# KiCad board RobotLegoController.kicad_pcb (continued)
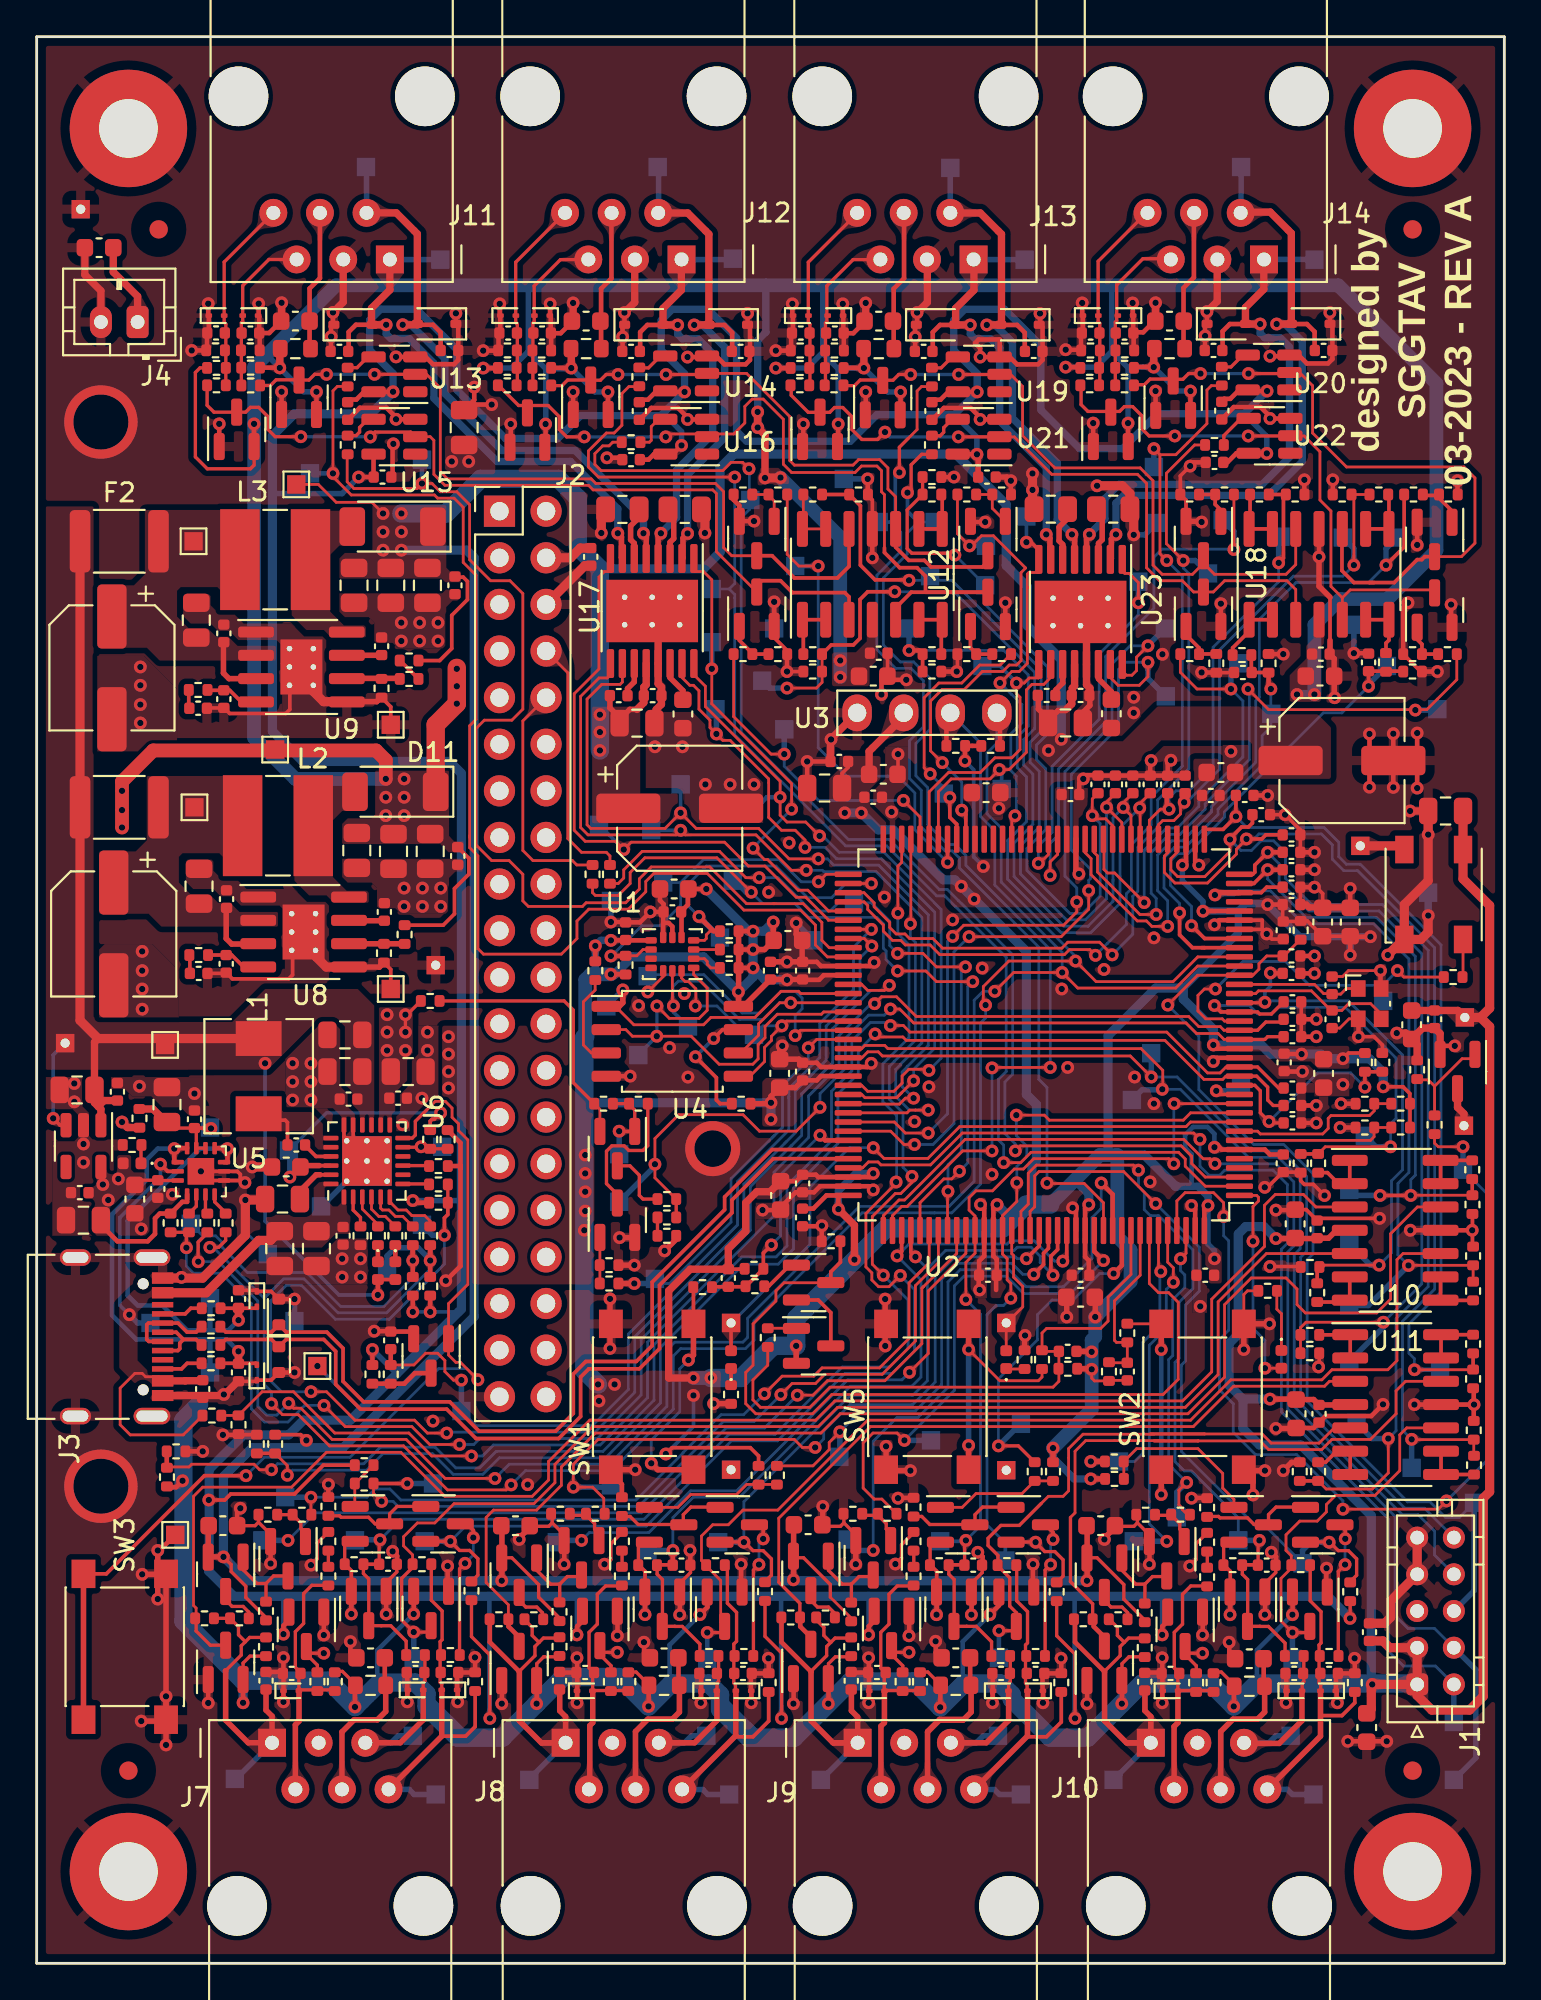
[diagram p0: board, top side]
## Routing (per net, layer and track width the routed paths; a pad name or vN(x,y) marks a point on that pad's centre or on a via; arc(x,y) is an arc through that point) (continued)
VBAT_ADC_ON: length 22.5
  L1 w0.15: v1(42.06,49.9) 42.51,50.35 U2.91
  L1 w0.3: v1(32.58,37.05) 31.72,37.05
  L4 w0.15: 40.2,45.1 40.65,45.56 40.65,47.85 40.68,47.85 42.06,49.23 v1(42.06,49.9) ; 40.2,45.1 37.85,42.76 37.85,40.4 34.5,37.05 v1(32.58,37.05) ; 40.2,45.1 40.05,44.96
  L4 w0.3: v1(32.58,37.05) 33.7,37.05
VBAT_SENSE: length 47.7
  L1 w0.15: v1(46.54,52.01) 47.04,52.01 47.8,51.25 62.65,51.25 63.22,50.67 64.4,50.67 64.72,50.35 U2.18 ; v1(42.7,46.65) 41.4,45.35 39.4,45.35 38.5,46.25 35,46.25 33.7,44.95 33.7,42.81 R43.1
  L1 w0.18: U2.18 66.95,50.35 67.1,50.5 C58.1 ; R51.2 R43.1
  L4 w0.15: v1(46.54,52.01) 46.2,51.68 45.35,51.68 44.08,50.41 44.08,48.78 42.7,47.4 v1(42.7,46.65)
  L4 w0.3: TP34.1 33.7,43.45 v1(33.7,43.55)
VBUS: length 31.7
  L1 w0.15: R66.2 7.99,28.8 5.1,28.8 4.55,29.35 4.55,31.35 5.35,32.15 5.75,32.15 5.93,31.97 6.64,31.97 J3.A9
  L1 w0.2: U5.2 7.14,43.16 v1(6.74,43.56)
  L1 w0.4: J3.A9 8.09,31.74 8.1,31.75 9.03,31.75 9.05,31.73
  L1 w0.5: J3.A4 9.24,36.54 12.1,39.4 12.75,39.4 C49.1
  L4 w0.2: v1(5.05,35.35) 4.53,35.87 4.53,40.64 6.74,42.85 v1(6.74,43.56)
  L4 w0.3: v1(5.05,35.35) 5.5,34.9 TP82.1
VBUS_SENSE: length 77
  L1 w0.15: v1(45.68,52.3) 46.05,52.67 46.87,52.67 47.94,51.6 62.79,51.6 63.35,51.05 64.52,51.05 64.72,50.85 U2.19 ; R66.1 10.07,29.86 R70.2 12.29,31.15 14,31.15 16.25,28.9 20.28,28.9 21.54,27.65 v1(23.7,27.65)
  L1 w0.18: U2.19 66.55,50.85 67,51.3 67.82,51.3 C86.1
  L4 w0.15: 31.24,28.76 33.3,30.83 33.3,33.86 40.19,40.75 40.19,43.12 42.07,45 42.07,47.27 43.73,48.93 43.73,50.56 45.48,52.3 v1(45.68,52.3) ; 31.24,28.76 31.31,28.84 30.72,28.25 24.9,28.25 24.3,27.65 v1(23.7,27.65) ; 31.24,28.76 31.17,28.7
+BATT: length 6.6
  L1 w0.18: v1(20.1,50.75) 20.1,51.61 R206.1
  L1 w0.4: C53.1 4.18,92.17 5.5,90.85 J4.1
  vias: v1(19.1,51.7) v1(19.1,50.75) v1(19.1,49.75) v1(20.1,51.7) v1(20.1,49.75)
/01-Microcontroller and Extras/BOARD_ID0: length 8.9
  L1 w0.15: U2.7 72.7,44.85 72.9,45.05 72.9,45.54 R26.2 R21.1
/01-Microcontroller and Extras/BOARD_ID1: length 9.6
  L1 w0.15: U2.8 66.55,45.35 66.7,45.2 70.1,45.2 70.4,45.5 70.4,46.05 70.55,46.2 72.65,46.2 72.91,46.46 R27.2 R22.1
/01-Microcontroller and Extras/BUTTON1: length 33.6
  L1 w0.15: R13.2 39.85,32.6 39.04,31.79 39.04,30.71 39.45,30.3 42.14,30.3 43.24,31.4 55.4,31.4 55.72,31.72 C6.2 54.86,33.35 R10.2 ; R10.2 54.8,33.37 ; R10.2 54.8,34.35 55.05,34.6 58,34.6 58.4,35 58.4,36.3 59.65,37.55 U2.136 ; 55.78,32.39 55.76,32.41
/01-Microcontroller and Extras/BUTTON2: length 13.5
  L1 w0.2: v1(40.05,39.15) 39.61,38.71 R7.1 38.66,36.9 R15.2 38.61,36.87 C7.2 36.83,36.87 R11.2
  L1 w0.25: v1(42.7,45.13) 42.98,44.85 U2.102
  L4 w0.15: 41.86,44.29 40.55,42.98 40.55,39.65 v1(40.05,39.15) ; 41.86,44.29 41.8,44.23 ; 41.86,44.29 v1(42.7,45.13)
/01-Microcontroller and Extras/BUTTON3: length 9.4
  L1 w0.15: U2.137 60.15,37.5 58.75,36.1 58.75,33.95 58.86,33.84 R12.2 C8.2 58.48,32.73 R8.1
/01-Microcontroller and Extras/DEBUG_uRX_dTX: length 53.1
  L1 w0.15: U2.93 44.98,49.35 45.3,49.67 45.88,49.67 46.1,49.45 59.61,49.45 v1(60.76,48.3)
  L4 w0.15: v1(60.76,48.3) 62.17,48.3 66.2,44.27 67.83,44.27 69.23,42.88 69.22,38.81 68.9,38.48 68.9,30.48 74.58,24.8 75.65,24.8 J1.10
  L4 w0.3: TP11.1 60.76,49.59 v1(60.76,48.3)
/01-Microcontroller and Extras/DEBUG_uTX_dRX: length 56
  L1 w0.15: U2.92 44.97,49.85 45.14,50.03 46.22,50.03 46.4,49.85 60.2,49.85 61.38,48.67 61.38,47.66 v1(61.36,47.63)
  L4 w0.15: J1.8 76.2,22.25 76.2,23.55 75.3,24.45 74.44,24.45 68.55,30.34 68.55,38.63 68.88,38.95 68.88,42.74 67.69,43.92 66.05,43.92 62.34,47.63 v1(61.36,47.63)
  L4 w0.3: TP8.1 60.25,47.6 61.33,47.6 v1(61.36,47.63)
/01-Microcontroller and Extras/LED1: length 7.2
  L1 w0.15: U2.123 53.15,38.67 53.25,38.58 53.25,37.39 53.75,36.89 53.75,35.78 52.85,34.88 D1.2
/01-Microcontroller and Extras/LED2: length 11.8
  L1 w0.15: 66.85,32.45 66.87,32.43 D2.2 ; U2.1 66.5,41.85 66.6,41.75 66.6,41.54 66.3,41.25 v1(66.3,39.35)
  L4 w0.15: v1(66.3,39.35) 66.3,34.6 66.95,33.95 v1(66.95,32.43)
/01-Microcontroller and Extras/LED3: length 36.3
  L1 w0.15: v1(45.6,44.45) 46.19,43.86 48.58,43.86 50.32,45.6 53.7,45.6 ; U2.9 62.9,45.85 62.65,45.6 53.7,45.6 ; 53.7,45.6 53.5,45.6
  L1 w0.2: D3.2 37.85,34.88
  L4 w0.15: v1(45.6,44.45) 44.3,44.45 42.15,42.3 42.15,39.17 37.85,34.88
/01-Microcontroller and Extras/MC_BOOT0: length 46.1
  L1 w0.15: Q2.3 43.28,37.09 40.74,37.09 40.29,36.64 40.29,36.09 39.05,34.85 39.05,32.6 38.65,32.2 38.65,30.5 39.2,29.95 42.29,29.95 43.34,31 61.4,31 62.22,31.83 62.22,36.03 61.7,36.55 61.15,36.55 60.65,37.05 U2.138
  L1 w0.2: Q2.3 43.29,37.69 43.81,38.21 R16.1
/01-Microcontroller and Extras/MC_RESET_N: length 59.8
  L1 w0.15: v1(61.66,52.22) 63.28,53.85 U2.25 66.29,53.85 66.62,54.18 66.62,54.47 67.05,54.9 C30.1 67.98,54.9 68.87,55.79 R14.1
  L4 w0.15: J1.6 78.4,20.35 78.4,25.15 77.55,24.3 76.8,24.3 75.95,25.15 74.73,25.15 69.25,30.63 69.25,38.34 69.57,38.66 69.58,43.03 67.98,44.62 66.34,44.62 63.35,47.62 63.35,50.53 v1(61.66,52.22)
  L4 w0.3: TP6.1 78.35,20.3 J1.6
/01-Microcontroller and Extras/MC_SWCLK: length 64.2
  L1 w0.15: v1(64.23,43.57) 63.96,43.85 63.58,43.85 62.53,44.9 50.61,44.9 47.31,41.6 47.01,41.6 46.15,40.74 U2.109
  L4 w0.15: J1.4 76.2,18.25 74.75,18.25 74.05,18.95 74.05,24.34 68.2,30.19 68.2,38.77 68.53,39.1 68.53,42.59 67.54,43.57 v1(64.23,43.57)
  L4 w0.3: TP4.1 78.45,11.2 78.45,16 J1.4
/01-Microcontroller and Extras/MC_SWDIO: length 61.5
  L1 w0.15: v1(63.41,44.91) 63.07,45.25 50.46,45.25 48.72,43.51 46.02,43.51 45.86,43.67 45.34,43.67 45.02,43.35 U2.105
  L4 w0.15: v1(63.41,44.91) 63.41,43.44 63.9,42.95 64.49,42.95 64.76,43.22 67.4,43.22 68.18,42.45 68.18,39.24 67.85,38.92 67.85,30.05 73.7,24.2 73.7,17 74.5,16.2 76.25,16.2 J1.2
  L4 w0.3: TP1.1 J1.2
/01-Microcontroller and Extras/PC_uRX_rpiTX: length 38.9
  L1 w0.15: U2.116 49.65,42.05 v1(49.68,42.08) ; R5.1 31.26,58.85 31.7,58.85 32,59.15 32,59.59 33.01,60.6 37.22,60.6 38.66,59.17 v1(39.38,59.17) ; v1(50.62,54.31) 49.04,54.31 48.31,55.04 v1(46.93,55.04)
  L4 w0.15: v1(49.68,42.08) 49.68,43.53 50.4,44.25 50.4,54.08 v1(50.62,54.31) ; v1(39.38,59.17) 40.41,59.17 42.23,57.35 43.25,57.35 43.7,57.8 TP12.1 45.49,57.8 46.5,56.79 46.5,55.47 v1(46.93,55.04)
/01-Microcontroller and Extras/PC_uTX_rpiRX: length 42.6
  L1 w0.15: v1(50.3,43.17) 49.88,42.75 49.45,42.75 48.15,41.45 U2.113 ; v1(46.93,54.08) 48.47,54.08 49.05,53.5 v1(51.02,53.5) ; R9.1 30.3,58.35 30.45,58.2 31.7,58.2 32.35,58.85 32.35,59.45 33.15,60.25 37.08,60.25 v1(38.95,58.38)
  L4 w0.15: v1(50.3,43.17) 50.75,43.62 50.75,53.23 v1(51.02,53.5) ; v1(38.95,58.38) 39.58,57.75 41.33,57.75 42.08,57 45.8,57 46.15,56.65 46.15,55.32 46.3,55.17 46.3,54.71 v1(46.93,54.08)
  L4 w0.3: v1(38.95,58.38) 38.67,58.38 37.95,59.1
/01-Microcontroller and Extras/SYS_FLASH_CS_N: length 17.4
  L1 w0.15: U4.1 31.54,52.16 32.55,51.15 36.35,51.15 36.75,51.55 39.15,51.55 40.57,52.97 41.53,52.97 41.65,52.85 U2.86
  L1 w0.3: U4.1 31.75,52.16 31.95,52.35 v1(31.95,53.05)
  L4 w0.3: v1(31.95,53.05) TP18.1
/01-Microcontroller and Extras/SYS_IMU_CS: length 17.6
  L1 w0.15: U1.12 34.15,53.78 v1(33.31,52.94) ; U2.90 41.64,50.85 v1(41.34,50.56)
  L4 w0.15: TP9.1 33.38,53.88 36.37,53.88 38.46,51.79 39.39,51.79 40.57,52.97 41.36,52.97 41.72,52.61 41.72,52.03 41.34,51.64 v1(41.34,50.56)
  L4 w0.2: v1(33.31,52.94) 33.31,53.81
/01-Microcontroller and Extras/SYS_IMU_IRQ1: length 19.6
  L1 w0.15: R3.1 36.7,56.25 36.5,56.05 36.5,55.85 36.4,55.75 U1.4 ; U2.74 v1(45.5,58.85)
  L1 w0.25: 37.25,56.25 36.9,56.25 v1(36.1,57.05)
  L4 w0.15: v1(45.5,58.85) 44.1,58.85 43.33,58.08 42.02,58.08 40.3,59.8 36.5,59.8 35.45,58.75 35.45,57.7 v1(36.1,57.05)
  L4 w0.3: v1(36.1,57.05) TP2.1
/01-Microcontroller and Extras/SYS_IMU_IRQ2: length 19.8
  L1 w0.15: U1.9 33.05,55.25 32.71,54.91 R4.1 ; U2.73 43.02,59.35 v1(42.61,58.94)
  L1 w0.25: 32.1,54.9 v1(31.3,54.9)
  L4 w0.15: 35.1,58.9 36.35,60.15 40.47,60.15 41.68,58.94 v1(42.61,58.94) ; 35.1,58.9 TP5.1 ; 35.1,58.9 35.1,57.65 34,56.55 32.98,56.55 31.33,54.9 v1(31.3,54.9)
/01-Microcontroller and Extras/SYS_SPI_CLK: length 19.7
  L1 w0.15: v1(34.71,52.18) 34.65,52.24 U1.13 ; U4.6 38.38,49.61 39.35,50.58 39.35,51.2 40.5,52.35 U2.87
  L4 w0.15: v1(34.71,52.18) 34.68,52.21 34.68,53.23 34.98,53.53 36.22,53.53 38.31,51.44 39.59,51.44 40.5,52.35 v1(41.1,52.35)
  L4 w0.2: v1(34.71,52.18) 34.71,51.84 TP10.1
/01-Microcontroller and Extras/SYS_SPI_MISO: length 24.9
  L1 w0.15: U2.88 42.9,51.85 42.78,51.72 40.37,51.72 39.7,51.06 39.7,50.44 39.32,50.06 39.32,49.29 39.04,49 37.2,49 35.67,50.53 32.47,50.53 32.12,50.89 U4.2 ; v1(33.81,52.17) 34.48,51.5 36.11,51.5 36.55,51.94 36.55,53.15 35.81,53.89 U1.1
  L4 w0.18: v1(33.81,52.17) 33.81,50.53 v1(33.8,50.53)
  L4 w0.2: v1(33.8,50.53) 32.77,49.5
/01-Microcontroller and Extras/SYS_SPI_MOSI: length 15.8
  L1 w0.15: v1(35.9,52.17) 35.93,52.21 35.93,53.11 35.54,53.5 35.35,53.5 35.15,53.7 U1.14 ; U4.5 38.88,48.34 39.68,49.14 39.68,49.92 40.05,50.29 40.05,50.52 v1(40.62,51.09) 40.88,51.35 U2.89
  L4 w0.15: v1(40.62,51.09) 39.59,51.09 TP7.1 38.61,51.09 38.16,51.09 37.08,52.17 v1(35.9,52.17)
/01-Microcontroller and Extras/XTAL_IN: length 8.9
  L1 w0.15: Y2.3 73.29,51.72 72.71,52.3 71.51,52.3 71.14,51.93 C22.1 70.55,51.93 69.48,53 66.6,53 66.45,52.85 U2.23
/01-Microcontroller and Extras/XTAL_OUT: length 6.8
  L1 w0.15: Y2.1 71.39,53.12 71.08,52.82 C21.1 70.58,52.85 70.15,52.85 69.65,53.35 U2.24
/02-System Power Supply and USB/5BOOSTIN: length 3.6
  L1 w0.3: 12.12,55.56 12.12,55.56 12.13,55.55 10.63,55.55 10.33,55.85 10.33,57.5 C68.1
/02-System Power Supply and USB/9BOOSTIN: length 3.6
  L1 w0.3: 11.97,70.03 11.97,70.02 11.98,70.02 10.48,70.02 10.18,70.31 10.18,71.97 10.2,71.98
/02-System Power Supply and USB/BM_NPG: length 2
  L1 w0.15: R47.1 18.6,40.26 17.75,41.11 U6.3
/02-System Power Supply and USB/BM_STAT: length 2.3
  L1 w0.15: U6.4 18.25,41.1 18.65,40.7 19,40.7 R45.1
/02-System Power Supply and USB/BM_SW: length 3
  L1 w0.2: C54.1 13.67,45.83 13.55,45.95 12.45,45.95 L1.1
/02-System Power Supply and USB/QONN: length 54.8
  L1 w0.15: 21.26,46.51 21.72,46.97 22.28,46.97 22.64,46.61 22.64,46.11 23,45.75 23,45.38 23.5,44.88 23.5,37 22.45,35.95 Q37.1 22.45,33.15 22.85,32.75 23.1,32.75 v1(24.05,31.8)
  L1 w0.18: 21.26,46.51 20.64,45.89 20.64,45.14 20.47,44.97 U6.12
  L1 w0.2: v1(11.41,26.58) 9.14,26.58 3.79,21.22 SW3.2
  L1 w0.3: SW3.2 SW3.2
  L4 w0.15: v1(24.05,31.8) 23.44,32.41 21.91,32.41 17.07,27.58 12.41,27.58 v1(11.41,26.58)
/02-System Power Supply and USB/REGN: length 15
  L1 w0.2: v1(22.02,46.35) 21.67,46 21.55,46 21.45,45.9 R53.2 ; U6.22 15.4,43.47
  L1 w0.3: 15.4,43.47 14.45,43.47 C60.1
  L4 w0.18: v1(22.02,46.35) 15.8,46.35 13.8,44.35 v1(13.8,42.85)
  L4 w0.3: TP37.1 13.8,44.25 v1(13.8,42.85)
/02-System Power Supply and USB/USB_CC1: length 24.2
  L1 w0.2: D7.2 11.92,35.7 R29.2
  L1 w0.25: U5.11 10.38,44.42 v1(10.4,44.4) 10.4,43.7 10.36,43.66 U5.10
  L1 w0.4: v1(11,35.05) C48.1
  L4 w0.15: 9.45,34.65 9.45,34.5
  L4 w0.25: v1(11,35.05) 10.45,34.5 8.2,34.5 6.85,35.85 5.5,35.85 4.96,36.4 4.96,40.46 8.9,44.4 v1(10.4,44.4)
  L4 w0.3: TP26.1 9.45,34.65
/02-System Power Supply and USB/USB_CC2: length 24.8
  L1 w0.2: D6.2 11.92,32.7 R30.2
  L1 w0.25: U5.14 7.53,44.42 v1(7.5,44.4) 7.5,43.7 7.54,43.66 U5.1
  L1 w0.4: v1(11,33.35) C47.1
  L4 w0.15: 9.45,33.85 9.45,34
  L4 w0.25: v1(7.5,44.4) 6.6,44.4 6,43.8 6,42.71 4.11,40.81 4.11,35.32 5.43,34 10.35,34 v1(11,33.35)
  L4 w0.3: TP27.1 9.45,33.85
/02-System Power Supply and USB/VCONN: length 6
  L1 w0.18: 7.1,45.8 7.38,45.52 C45.1 8.7,45.42 U5.13 U5.12
  L1 w0.2: v1(9.5,45.5) 9.48,45.52 C45.1
  L1 w0.4: R28.1 6.34,46.56 7.1,45.8
/03-System Inputs A/INPUT1_PIN1: length 20.1
  L1 w0.18: 11.38,17.53 11.61,17.76 R74.1 ; 11.38,17.53 11,17.9 11,18.34 R80.1 9.71,18.8 ; 11.38,17.53 11.15,17.3 11.15,16.8 10.29,15.94
  L1 w0.3: C95.1 12.5,13.8 12.83,13.47 J7.1 11.53,12.02 10.3,13.25 10.3,15.93 10.29,15.94
  L4 w0.2: 12.79,11.99 10.81,10.01
  L4 w0.3: J7.1 10.86,10.05 TP46.1
/03-System Inputs A/INPUT1_PIN2: length 14.6
  L1 w0.18: 16.25,14.89 16.24,14.9 14.29,14.9 14.29,15.76 14.38,15.85 14.1,16.13 14.1,18.07 14.55,18.52 14.55,20.15 15,20.6 15.89,20.6 R93.2
  L1 w0.3: J7.2 14.1,13 14.3,13.2 14.3,14.89 14.29,14.9
/03-System Inputs A/INPUT1_PIN5: length 12.7
  L1 w0.18: R100.2 21.16,15.39 21.07,15.3 D21.2
  L1 w0.3: J7.5 19.82,12.02 21.07,13.27 D21.2
  L4 w0.2: 20.49,12.39 19.69,12.39 19.31,12.01 17.95,12.01
  L4 w0.3: TP54.1 19.7,12.4 19.31,12.01 17.92,12.01 J7.5
/03-System Inputs A/INPUT1_PIN6: length 23.1
  L1 w0.18: D25.2 22.08,15.22 21.99,15.31 21.99,17.53 22.1,17.64 22.1,19.2 21.51,19.79 R112.2
  L1 w0.2: 22.08,12.38 23.38,12.38 23.9,12.9 R116.1
  L1 w0.3: D25.2 22.08,12.38 J7.6
  L4 w0.2: 21.74,9.19 20.59,9.19 20.31,9.47 19.22,9.47
  L4 w0.3: TP63.1 20.58,9.2 20.3,9.48 J7.6
/03-System Inputs A/INPUT2_PIN1: length 26.1
  L1 w0.18: 27.38,17.49 27.16,17.27 27.16,16.77 26.3,15.9 ; 27.38,17.49 27.01,17.86 27.01,18.31 26.55,18.77 ; 27.38,17.49 27.62,17.72 28.51,17.72
  L1 w0.25: 24.7,18.77 24.7,17.5 26.3,15.9 ; 28.51,14.89 28.51,13.77 28.84,13.44 28.84,11.98 27.54,11.98 26.31,13.22
  L1 w0.3: C96.1 28.51,14.91 28.51,13.77 28.83,13.44 J8.1 27.5,12.02 26.31,13.22 26.31,15.89 26.3,15.9
  L4 w0.3: J8.1 26.85,10.04 TP47.1
/03-System Inputs A/INPUT2_PIN2: length 20.1
  L1 w0.18: 30.3,14.86 30.31,14.86 30.31,13.11 30.11,12.92 30.11,9.44 ; 30.3,14.86 32.25,14.86 32.26,14.86 ; 30.3,14.86 30.3,15.73 30.39,15.81 30.11,16.09 30.11,18.04 30.56,18.49 30.56,20.11 31.01,20.56 31.9,20.56 31.91,20.56
  L1 w0.3: J8.2 30.15,9.53 30.15,12.95 30.31,13.11 30.31,14.83 D18.2
/03-System Inputs A/INPUT2_PIN5: length 18
  L1 w0.18: 33.92,11.98 35.83,11.98 37.08,13.23 37.08,15.27 37.17,15.36 37.17,16.77
  L1 w0.3: J8.5 35.87,12.02 37.08,13.23 37.08,14.84 D22.2
  L4 w0.2: 33.95,12.01 35.31,12.01 35.69,12.39 36.49,12.39
  L4 w0.3: J8.5 33.92,12.01 35.31,12.01 35.7,12.4 TP55.1
/03-System Inputs A/INPUT2_PIN6: length 29.5
  L1 w0.18: 37.52,21.72 37.65,21.58 37.65,19.62 38.15,19.12 38.15,17.55 38,17.4 38,15.28 38.09,15.19 38.09,12.34 35.19,9.44
  L1 w0.2: 38.09,12.34 39.04,12.34 39.9,13.2 R118.1
  L1 w0.3: D26.2 38.11,12.41 J8.6
  L4 w0.2: 37.74,9.19 36.59,9.19 36.31,9.47 35.22,9.47
  L4 w0.3: J8.6 35.19,9.47 36.31,9.47 36.58,9.2 TP65.1
/04-System Inputs B/INPUT3_PIN1: length 28.9
  L1 w0.18: 43.28,17.49 42.91,17.86 42.91,18.31 42.45,18.77 ; 43.28,17.49 43.52,17.72 44.41,17.72 ; 43.28,17.49 43.06,17.27 43.06,16.77 42.2,15.9
  L1 w0.25: 42.2,15.9 40.6,17.5 40.6,18.77 ; 42.21,13.22 43.44,11.98 44.74,11.98 44.74,13.44 44.41,13.77 44.41,14.89
  L1 w0.3: 42.2,15.9 42.21,15.89 42.21,13.22 43.41,12.02 J9.1 44.75,13.42 44.41,13.77 44.41,14.91 C115.1
  L4 w0.2: 44.74,11.99 42.76,10.01
  L4 w0.3: J9.1 44.75,12 TP70.1
/04-System Inputs B/INPUT3_PIN2: length 20
  L1 w0.18: 46.2,14.86 46.21,14.86 46.21,13.11 46.01,12.92 46.01,9.44 ; 46.2,14.86 46.2,15.73 46.29,15.81 46.01,16.09 46.01,18.04 46.46,18.49 46.46,20.11 46.91,20.56 47.8,20.56 47.81,20.56 ; 46.2,14.86 48.15,14.86 48.16,14.86
  L1 w0.3: D31.2 46.21,14.84 46.21,13.11 46.02,12.92 J9.2
/04-System Inputs B/INPUT3_PIN5: length 18
  L1 w0.18: 49.82,11.98 51.73,11.98 52.98,13.23 52.98,15.27 53.07,15.36 53.07,16.77
  L1 w0.3: J9.5 51.76,12.02 52.98,13.23 52.98,14.84 D35.2
  L4 w0.2: 52.39,12.39 51.59,12.39 51.21,12.01 49.85,12.01
  L4 w0.3: J9.5 49.84,12.01 51.21,12.01 51.6,12.4 TP78.1
/04-System Inputs B/INPUT3_PIN6: length 29.5
  L1 w0.18: 51.09,9.44 53.99,12.34 53.99,15.19 53.9,15.28 53.9,17.35 54.01,17.46 54.01,19.17 53.42,19.75 53.42,21.72
  L1 w0.2: R166.1 55.85,13.15 55.04,12.34 53.99,12.34
  L1 w0.3: J9.6 54.01,12.39 D39.2
  L4 w0.2: 53.64,9.19 52.49,9.19 52.21,9.47 51.12,9.47
  L4 w0.3: TP87.1 52.48,9.2 52.21,9.47 51.11,9.47 J9.6
/04-System Inputs B/INPUT4_PIN1: length 28.8
  L1 w0.18: 59.28,17.49 59.52,17.72 60.41,17.72 ; 59.28,17.49 59.06,17.27 59.06,16.77 58.2,15.9 ; 59.28,17.49 58.91,17.86 58.91,18.31 58.45,18.77
  L1 w0.25: 58.21,13.22 59.44,11.98 60.74,11.98 60.74,13.44 60.41,13.77 60.41,14.89 ; 58.2,15.9 56.6,17.5 56.6,18.77
  L1 w0.3: 58.2,15.9 58.21,15.89 58.21,13.22 59.41,12.02 J10.1 60.73,13.44 60.41,13.77 60.41,14.86 C116.1
  L4 w0.2: 60.69,11.99 58.71,10.01
  L4 w0.3: J10.1 60.72,12.02 TP71.1
/04-System Inputs B/INPUT4_PIN2: length 20.1
  L1 w0.18: 62.01,9.44 62.01,12.92 62.21,13.11 62.21,14.86 62.2,14.86 ; 63.81,20.56 63.8,20.56 62.91,20.56 62.46,20.11 62.46,18.49 62.01,18.04 62.01,16.09 62.29,15.81 62.2,15.73 62.2,14.86 ; 64.16,14.86 64.15,14.86 62.2,14.86
  L1 w0.3: J10.2 62,12.91 62.21,13.11 62.21,14.84 D32.2
/04-System Inputs B/INPUT4_PIN5: length 15.3
  L1 w0.18: 69.07,16.77 69.07,15.36 68.98,15.27 68.98,13.23 67.73,11.98 65.82,11.98
  L1 w0.3: J10.5 65.84,11.98 67.73,11.98 68.97,13.22 D36.2
  L4 w0.3: TP79.1 67.55,12.4 67.17,12.02 J10.5
/04-System Inputs B/INPUT4_PIN6: length 25.7
  L1 w0.18: 69.42,21.72 69.42,19.75 70.01,19.17 70.01,17.46 69.9,17.35 69.9,15.28 69.99,15.19 69.99,12.34 67.09,9.44
  L1 w0.2: R168.1 71.85,14.2 71.15,13.5 69.99,13.5
  L1 w0.3: J10.6 69.98,12.38 D40.2
  L4 w0.3: J10.6 68.17,9.48 68.45,9.2 TP89.1
/05-System Outputs A/MOTORA_PIN1: length 31
  L1 w0.25: 18.25,89.3 17.4,89.3 17,88.91 17,87.85
  L1 w0.3: U17.7 31.88,76.61 31.88,77.74 v1(31.68,77.94)
  L1 w0.4: v1(19.05,89.3) 18.25,89.3 18.25,90.2 19.25,91.2 J11.1
  L4 w0.3: 19.28,92.85 22.02,92.85
  L4 w0.4: v1(31.68,77.94) 31.68,79.27 29.1,81.85 25.1,81.85 21.65,85.3 21.65,87.2 20.3,88.55 19.3,88.55 19.05,88.8 v1(19.05,89.3)
/05-System Outputs A/MOTORA_PIN2: length 34.8
  L1 w0.25: C151.1 22.02,88.88 21.6,89.3 20.75,89.3
  L1 w0.3: v1(33.07,77.94) 33.22,77.79 33.22,76.56
  L1 w0.4: v1(19.95,89.3) 20.75,89.3 20.75,94.25 19.6,95.4 J11.2
  L4 w0.3: TP109.1 17.98,97.87 J11.2
  L4 w0.4: v1(33.07,77.94) 33.07,78.72 29.35,82.45 25.35,82.45 22.25,85.55 22.25,87.45 20.4,89.3 v1(19.95,89.3)
/05-System Outputs A/MOTORA_PIN5: length 9
  L1 w0.18: J11.5 12.66,92.86 11.23,91.43 D41.2 11.23,89.48 11.16,89.41 R176.2
/05-System Outputs A/MOTORA_PIN5_ENC: length 43.7
  L1 w0.15: U13.2 21.25,86.6 22,85.85 22,81.29 22.39,80.9 30.23,80.9 30.48,80.65 37,80.65 37.44,80.2 37.44,77.16 37.89,76.71 Q29.3
  L1 w0.18: 20.65,86.6 v1(18.41,86.6) ; R176.1 12.74,85.99 13.05,86.3 14.29,86.3 D43.3 14.84,86.29 15.15,86.6 v1(15.8,86.6)
  L1 w0.2: Q29.3 40.09,76.71 41.3,75.5 43.65,75.5 44.28,76.13 U12.12
  L4 w0.18: v1(15.8,86.6) v1(18.41,86.6)
/05-System Outputs A/MOTORA_PIN6: length 10.5
  L1 w0.18: R190.2 10.31,89.34 10.22,89.43 D45.2 10.22,92.72 J11.6
/05-System Outputs A/MOTORA_PIN6_ENC: length 46.2
  L1 w0.15: U15.2 21.45,83.2 21.65,83 21.65,81.15 22.25,80.55 30.08,80.55 30.33,80.3 36.86,80.3 37.05,80.11 37.05,76.94 Q31.3
  L1 w0.18: U15.2 20.39,83.45 18.45,83.45 v1(18.18,83.19) ; v1(14.4,83.2) 13,83.2 12.6,83.6 12.6,84.3 12.1,84.8 11.65,84.8 11.39,84.54 D47.3 9.66,84.54 9.29,84.91 R190.1
  L1 w0.2: 44.28,73.22 44.28,74.47 44.05,74.7 41.2,74.7 40.55,75.35 39.5,75.35 39.25,75.1 Q31.3
  L4 w0.18: v1(14.4,83.2) 18.17,83.2 v1(18.18,83.19)
/05-System Outputs A/MOTORB_PIN1: length 25.2
  L1 w0.25: 32.9,87.84 32.9,88.9 33.29,89.29 34.14,89.29
  L1 w0.3: v1(34.03,77.94) 33.88,77.79 U17.4
  L1 w0.4: 35.14,92.85 35.14,91.19 34.14,90.19 34.14,89.29 v1(34.94,89.29)
  L4 w0.3: 35.18,92.85 37.92,92.85
  L4 w0.4: v1(34.03,77.94) 34.88,78.79 34.88,81.38 36.85,83.35 36.85,87.73 36.04,88.54 35.19,88.54 34.94,88.79 v1(34.94,89.29)
/05-System Outputs A/MOTORB_PIN2: length 28.5
  L1 w0.25: 37.91,87.89 37.91,88.87 37.49,89.29 36.64,89.29
  L1 w0.3: 35.18,76.55 35.23,76.6 35.23,77.67 v1(35.48,77.92)
  L1 w0.4: v1(35.84,89.29) 36.64,89.29 36.64,94.24 35.49,95.39 33.87,95.39
  L4 w0.3: 33.9,95.41 33.9,97.88
  L4 w0.4: v1(35.84,89.29) 36.29,89.29 37.5,88.08 37.5,83.15 35.48,81.13 v1(35.48,77.92)
/05-System Outputs A/MOTORB_PIN5: length 9
  L1 w0.18: 30.06,92.85 28.55,92.85 27.12,91.42 27.12,89.47 27.05,89.4 27.05,85.98
/05-System Outputs A/MOTORB_PIN5_ENC: length 32.8
  L1 w0.15: U14.2 38.69,86.65 41.05,84.29 41.05,81.9 41.3,81.65 44.5,81.65 44.8,81.95 45.95,81.95 46.4,81.5 46.4,80.35 46.82,79.93 U12.10
  L1 w0.18: 28.07,85.98 28.63,85.98 28.94,86.29 30.18,86.29 30.19,86.28 30.73,86.28 31.04,86.59 v1(31.69,86.59) ; 36.54,86.59 v1(34.3,86.59)
  L1 w0.2: Q30.3 51.85,76.4 51.55,76.1 48.75,76.1 48.39,76.46 47.54,76.46 46.82,77.18 U12.10
  L4 w0.18: v1(31.69,86.59) v1(34.3,86.59)
/05-System Outputs A/MOTORB_PIN6: length 10.5
  L1 w0.18: 28.79,95.39 26.11,92.71 26.11,89.42 26.2,89.33 26.2,85.99
/05-System Outputs A/MOTORB_PIN6_ENC: length 45.5
  L1 w0.15: v1(34.29,83.19) 34.45,83.35 38,83.35 38.6,83.95 38.6,84.85 39,85.25 39.6,85.25 40.7,84.15 40.7,81.7 41.15,81.25 44.61,81.25 44.96,81.6 45.8,81.6 46.05,81.35 46.05,80.2 46.21,80.04 46.21,77.14 ; 46.82,73.93 46.82,73.22
  L1 w0.18: 25.18,85.99 26.27,84.9 27.88,84.9 28.49,84.29 28.49,83.59 28.89,83.19 v1(29.85,83.19)
  L1 w0.2: 46.21,77.14 46.21,76.89 47.04,76.06 47.99,76.06 48.45,75.6 48.45,74.72 Q32.3 47.68,74.72 46.82,73.87 46.82,73.22
  L4 w0.18: v1(29.85,83.19) v1(34.29,83.19)
/06-System Outputs B/MOTORC_PIN1: length 25.1
  L1 w0.25: 50.09,89.29 49.24,89.29 48.84,88.9 48.84,87.84
  L1 w0.3: 55.28,76.5 55.23,76.55 55.23,77.68 v1(55.03,77.88)
  L1 w0.4: v1(50.89,89.29) 50.09,89.29 50.09,90.19 51.09,91.19 51.09,92.85
  L4 w0.3: 51.13,92.85 53.87,92.85
  L4 w0.4: v1(55.03,77.88) 55.03,81.52 52.49,84.06 52.49,88.04 51.99,88.54 51.14,88.54 50.89,88.79 v1(50.89,89.29)
/06-System Outputs B/MOTORC_PIN2: length 28.9
  L1 w0.25: 52.59,89.29 53.44,89.29 53.86,88.87 53.86,87.89
  L1 w0.3: 56.58,76.5 56.58,77.72 v1(56.43,77.88)
  L1 w0.4: 49.82,95.39 51.44,95.39 52.59,94.24 52.59,89.29 v1(51.79,89.29)
  L4 w0.3: 49.8,95.37 49.8,97.84
  L4 w0.4: v1(56.43,77.88) 55.63,78.67 55.63,81.77 53.19,84.21 53.19,88.34 52.24,89.29 v1(51.79,89.29)
/06-System Outputs B/MOTORC_PIN5: length 9
  L1 w0.18: 43,85.98 43,89.4 43.07,89.47 43.07,91.42 44.5,92.85 46.01,92.85
/06-System Outputs B/MOTORC_PIN5_ENC: length 36.7
  L1 w0.15: 63.6,76.3 63,75.7 61.35,75.7 60.85,76.2 60.85,80.8 60.15,81.5 55.5,81.5 53.74,83.26 53.74,85.94 53.09,86.59 52.48,86.59 ; 63.6,76.3 Q33.3 ; 63.6,76.3 64.2,75.7 68.1,75.7 68.63,76.23 U18.12
  L1 w0.18: 44.02,85.98 44.58,85.98 44.89,86.29 46.13,86.29 46.14,86.28 46.68,86.28 46.99,86.59 v1(47.64,86.59) ; 52.49,86.59 v1(50.25,86.59)
  L4 w0.18: v1(47.64,86.59) v1(50.25,86.59)
/06-System Outputs B/MOTORC_PIN6: length 10.5
  L1 w0.18: 44.74,95.39 42.06,92.71 42.06,89.42 42.15,89.33 42.15,85.99
/06-System Outputs B/MOTORC_PIN6_ENC: length 38.2
  L1 w0.15: 68.63,73.22 68.63,74.87 68.15,75.35 64.75,75.35 64.14,74.74 Q35.3 63.06,74.74 62.45,75.35 61.21,75.35 60.5,76.06 60.5,80.66 60.01,81.15 55.33,81.15 53.29,83.19 52.48,83.19
  L1 w0.18: 52.48,83.19 v1(50.24,83.19) ; 41.13,85.99 41.13,85.46 42.06,84.53 43.23,84.53 43.49,84.79 43.94,84.79 44.44,84.29 44.44,83.59 44.98,83.05 45.84,83.05 v1(46.24,83.45)
  L4 w0.18: v1(46.24,83.45) 46.5,83.19 v1(50.24,83.19)
/06-System Outputs B/MOTORD_PIN1: length 33.1
  L1 w0.25: 65.89,89.34 65.04,89.34 64.65,88.94 64.65,87.89
  L1 w0.3: v1(57.38,77.88) 57.23,77.72 57.23,76.5
  L1 w0.4: 66.89,92.9 66.89,91.24 65.89,90.24 65.89,89.34 v1(66.69,89.34)
  L4 w0.3: J14.1 69.64,92.86 TP130.1
  L4 w0.4: v1(57.38,77.88) 58.23,78.72 58.23,79.83 59,80.6 66.8,80.6 68.29,82.09 68.29,88.09 67.79,88.59 66.94,88.59 66.69,88.84 v1(66.69,89.34)
/06-System Outputs B/MOTORD_PIN2: length 36.8
  L1 w0.25: 69.66,87.94 69.66,88.92 69.24,89.34 68.39,89.34
  L1 w0.3: 58.53,76.5 58.58,76.55 58.58,77.62 v1(58.83,77.88)
  L1 w0.4: v1(67.59,89.34) 68.39,89.34 68.39,94.29 67.24,95.44 65.62,95.44
  L4 w0.3: 65.65,95.41 65.65,97.88
  L4 w0.4: 67.2,80.05 67.4,80.25 ; 67.4,80.25 68.99,81.84 68.99,88.39 68.04,89.34 v1(67.59,89.34) ; 67.4,80.25 67.15,80 59.25,80 58.83,79.58 v1(58.83,77.88)
/06-System Outputs B/MOTORD_PIN5: length 9
  L1 w0.18: 58.8,86.03 58.8,89.45 58.87,89.52 58.87,91.47 60.3,92.9 61.81,92.9
/06-System Outputs B/MOTORD_PIN5_ENC: length 38.3
  L1 w0.15: 68.28,86.64 68.89,86.64 69.55,85.98 69.55,83.4 71.4,81.55 77.8,81.55 78.4,80.95 78.4,77.4 77.66,76.66 Q34.3 ; 72.9,75.25 74,75.25
  L1 w0.18: 68.29,86.64 v1(66.05,86.64) ; 59.82,86.03 60.38,86.03 60.69,86.34 61.93,86.34 61.94,86.33 62.48,86.33 62.79,86.64 v1(63.44,86.64)
  L1 w0.2: 72.65,75.25 74,75.25 75.25,76.5 75.5,76.5 75.66,76.66 Q34.3 ; 72.65,75.25 71.8,75.25 71.15,75.9 71.15,78.16 U18.10 ; 72.65,75.25 72.9,75.25
  L4 w0.18: v1(63.44,86.64) v1(66.05,86.64)
/06-System Outputs B/MOTORD_PIN6: length 10.5
  L1 w0.18: 57.95,86.04 57.95,89.38 57.86,89.47 57.86,92.76 60.54,95.44
/06-System Outputs B/MOTORD_PIN6_ENC: length 30.7
  L1 w0.15: 76.15,74.69 75.99,74.85 71.6,74.85 71.17,74.42 ; 71.17,74.42 70.55,75.04 70.55,79.15 69.95,79.75 69.95,82.38 69.09,83.24 68.28,83.24 ; 71.17,74.42 71.17,73.22
  L1 w0.18: v1(62.04,83.24) 60.64,83.24 60.24,83.64 60.24,84.34 59.74,84.84 59.29,84.84 59.03,84.58 57.3,84.58 56.93,84.95 56.93,86.04 ; 68.28,83.24 v1(66.04,83.24)
  L4 w0.18: v1(62.04,83.24) v1(66.04,83.24)
ADD_LED_RGB: length 19.4
  L1 w0.15: U2.20 64.75,51.35 64.62,51.47 63.72,51.47 63.3,51.9 63.3,52.75 63.65,53.1 v1(64.25,53.1) ; v1(74.18,54.1) 74.53,53.75 R152.1
  L4 w0.15: v1(64.25,53.1) 65.75,54.6 68.07,54.6 69.38,53.3 73.37,53.3 ; TP144.1 73.4,53.27 73.37,53.3 ; 73.37,53.3 v1(74.18,54.1)